# KiCad board woodpecker.kicad_pcb (continued)
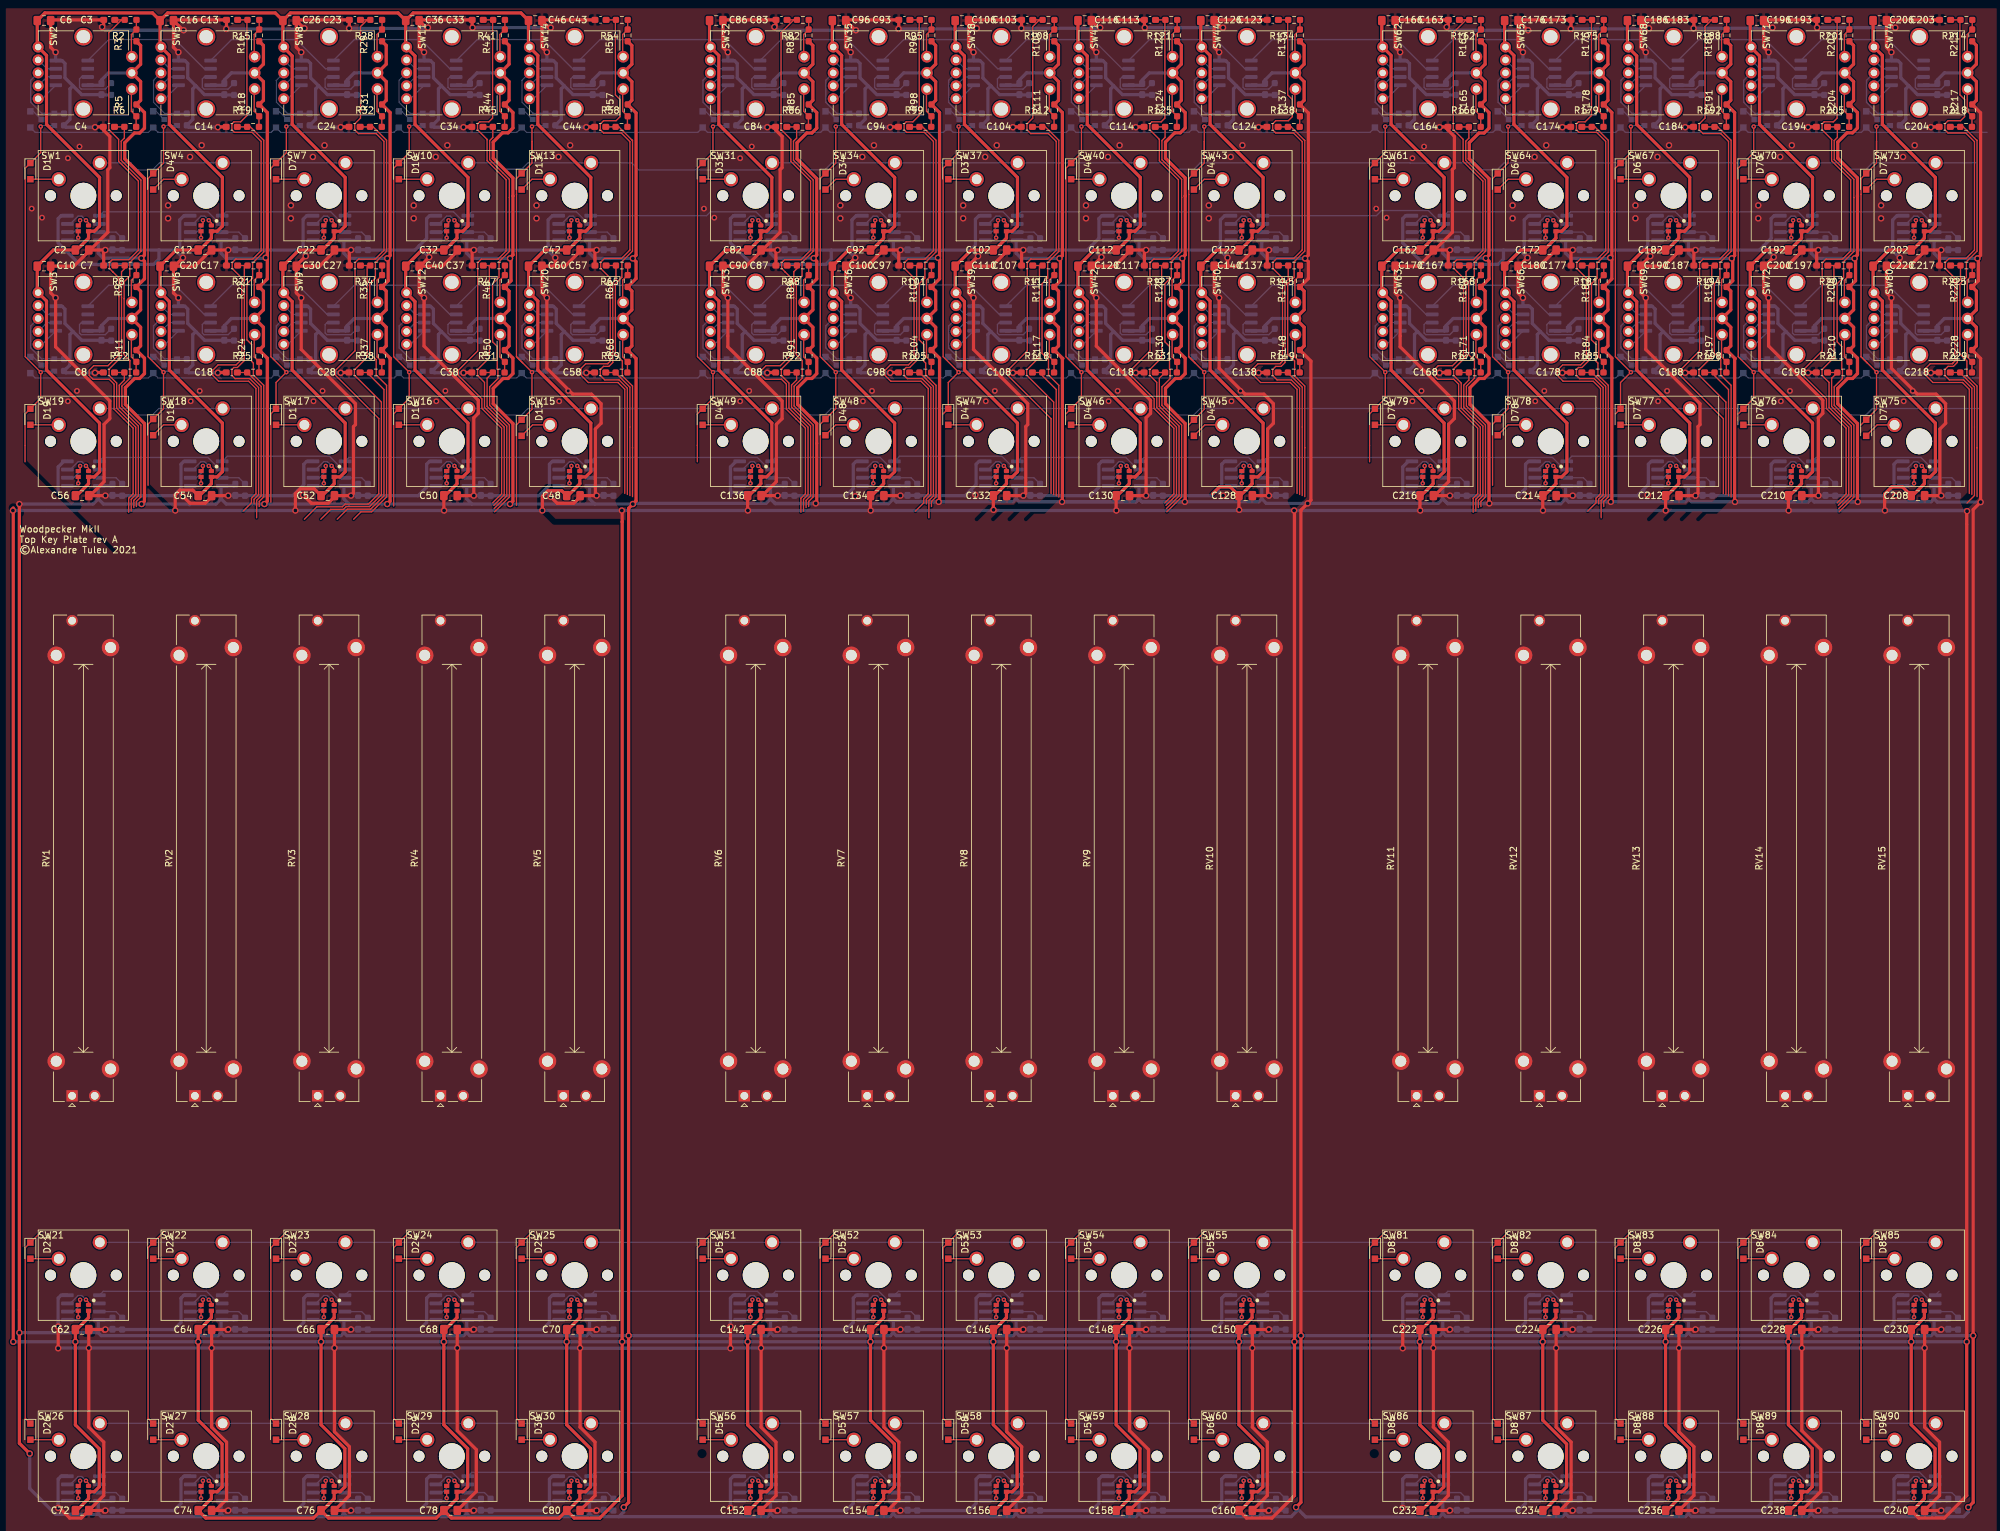
[diagram p0: board, top side]
## Routing (per net, layer and track width the routed paths; a pad name or vN(x,y) marks a point on that pad's centre or on a via; arc(x,y) is an arc through that point) (continued)
GND: length 3891.4
  Top w0.5: C26.2 42.34,229.3 v1(42.4,229.3) ; C26.2 41.24,230.6 C23.2 49.34,229.34 v1(49.3,229.3) ; C26.2 41.14,226.36 v1(41.9,225.6) ; v1(48,176) 48.05,176.05 C28.2 ; 47.24,195 v1(49.6,195) 49.34,194.74 C27.2 ; 47.24,195 47,195.24 ; 47.24,195 44.74,192.5 C30.2 ; 85.24,157 84.06,155.82 81.48,155.82 v1(80.5,156.8) ; 85.24,157 v1(87.6,157) 87.4,157.2 87.4,167.3 88.29,168.19 88.29,171.22 86.81,172.7 83.9,172.7 79.9,176.7 v1(79.9,187.6) 79.14,188.36 C60.2 81,192.5 ; 85.24,157 85,157.24 ; C36.2 60.14,226.36 v1(60.9,225.6) ; C36.2 60.24,230.6 C33.2 68.34,229.46 v1(68.4,229.4) ; C36.2 61.24,229.4 v1(61.5,229.4) ; v1(86,176) 86.05,176.05 C58.2 ; 28,157.24 28.24,157 ; 28.24,157 v1(30.6,157) ; 28.24,157 27.06,155.82 24.68,155.82 v1(23.6,156.9) ; C18.2 29.05,176.05 v1(29,176) ; 47.24,157 46.06,155.82 43.48,155.82 v1(42.2,157.1) ; 47.24,157 47,157.24 ; 47.24,157 v1(49.6,157) 49.98,157.38 49.98,167.68 50.29,167.99 50.29,171.22 41.9,179.61 v1(41.9,187.6) 41.14,188.36 C30.2 ; v1(11.6,157) 9.24,157 ; 9.24,157 9,157.24 ; 9.24,157 9.2,156.96 ; 9.24,157 11.4,159.16 11.4,168.03 12.29,168.92 12.29,171.63 3.9,180.02 v1(3.9,187.6) 3.14,188.36 C10.2 6.74,192.5 9.24,195 ; 85.24,195 82.74,192.5 81,192.5 ; 85.24,195 v1(87.6,195) 87.34,194.74 C57.2 ; 85.24,195 85,195.24 ; C40.2 60.14,188.36 v1(60.9,187.6) 60.9,180.14 69.29,171.75 69.29,169.74 68.6,169.05 v1(68.6,157) 66.24,157 66,157.24 ; C40.2 63.74,192.5 66.24,195 ; C40.2 60.3,192.5 v1(61.7,193.9) ; C20.2 25.46,192.5 27.96,195 28.24,195 ; C20.2 22.3,192.5 v1(23.6,193.8) ; C20.2 22.14,188.36 v1(22.9,187.6) ; 66,195.24 66.24,195 ; 66.24,195 v1(68.6,195) 68.34,194.74 C37.2 ; C24.2 48.05,214.05 v1(48,214) ; C30.2 41.14,192.59 v1(42.6,194.05) ; v1(10,214) 10.05,214.05 C4.2 11.29,213.57 12.29,212.57 12.29,207.74 11.98,207.43 11.98,197.74 9.24,195 ; v1(3.9,225.6) 3.14,226.36 C6.2 3.24,230.6 C3.2 11.34,229.74 v1(11.1,229.5) ; v1(67,176) 67.05,176.05 C38.2 ; v1(80.5,229.4) 80.24,229.4 C46.2 ; C14.2 29.05,214.05 v1(29,214) ; C34.2 67.05,214.05 v1(67,214) ; v1(30.3,229.2) 30.34,229.24 C13.2 22.24,230.6 C16.2 ; C16.2 23.64,229 v1(23.7,229) ; C16.2 22.14,226.36 v1(22.9,225.6) ; C17.2 30.34,194.74 v1(30.6,195) 28.24,195 ; 28,195.24 28.24,195 ; 9,195.24 9.24,195 ; 9.24,195 v1(11.6,195) 11.34,194.74 C7.2 ; 81,192.5 81.2,192.7 v1(81.2,193.8) ; v1(86,214) 86.05,214.05 C44.2 ; C46.2 79.24,230.6 C43.2 ; C46.2 79.14,226.36 v1(79.9,225.6) ; C8.2 10.05,176.05 v1(10,176) ; 11.34,27.74 v1(11.6,28) 9.24,28 9,28.24 ; 87.34,-0.26 v1(87.6,0) 85.24,0 85,0.24 ; 30.34,27.74 v1(30.6,28) 28.24,28 28,28.24 ; 49.34,27.74 v1(49.6,28) 47.24,28 47,28.24 ; 68.34,27.74 v1(68.6,28) 66.24,28 66,28.24 ; 87.34,27.74 v1(87.6,28) 85.24,28 85,28.24 ; 11.34,-0.26 v1(11.6,0) 9.24,0 9,0.24 ; 30.34,-0.26 v1(30.6,0) 28.24,0 28,0.24 ; 49.34,-0.26 v1(49.6,0) 47.24,0 47,0.24 ; 68.34,-0.26 v1(68.6,0) 66.24,0 66,0.24 ; 115.34,27.74 v1(115.6,28) 113.24,28 113,28.24 ; 191.34,-0.26 v1(191.6,0) 189.24,0 189,0.24 ; 134.34,27.74 v1(134.6,28) 132.24,28 132,28.24 ; 153.34,27.74 v1(153.6,28) 151.24,28 151,28.24 ; 172.34,27.74 v1(172.6,28) 170.24,28 170,28.24 ; 191.34,27.74 v1(191.6,28) 189.24,28 189,28.24 ; 115.34,-0.26 v1(115.6,0) 113.24,0 113,0.24 ; 134.34,-0.26 v1(134.6,0) 132.24,0 132,0.24 ; 153.34,-0.26 v1(153.6,0) 151.24,0 151,0.24 ; 172.34,-0.26 v1(172.6,0) 170.24,0 170,0.24 ; C148.2 170.04,12.36 172.98,9.42 172.98,2.94 C158.2 ; C160.2 191.35,2.31 191.35,10.58 189.04,12.89 v1(189.04,25.14) C150.2 ; C146.2 151.04,12.18 153.35,9.87 153.35,2.31 C156.2 ; C154.2 132.62,0 134.35,1.73 134.35,10.58 132.04,12.89 C144.2 ; C152.2 115.35,2.31 115.35,10.58 113.04,12.89 C142.2 ; v1(108.3,25.1) v1(108.3,28.45) ; 108.5,0.4 v1(108.3,0.4) ; 219.34,27.74 v1(219.6,28) 217.24,28 217,28.24 ; 295.34,-0.26 v1(295.6,0) 293.24,0 293,0.24 ; 238.34,27.74 v1(238.6,28) 236.24,28 236,28.24 ; 257.34,27.74 v1(257.6,28) 255.24,28 255,28.24 ; 276.34,27.74 v1(276.6,28) 274.24,28 274,28.24 ; 295.34,27.74 v1(295.6,28) 293.24,28 293,28.24 ; 219.34,-0.26 v1(219.6,0) 217.24,0 217,0.24 ; 238.34,-0.26 v1(238.6,0) 236.24,0 236,0.24 ; 257.34,-0.26 v1(257.6,0) 255.24,0 255,0.24 ; 276.34,-0.26 v1(276.6,0) 274.24,0 274,0.24 ; C228.2 274.04,12.36 276.98,9.42 276.98,2.94 C238.2 ; C240.2 295.35,2.31 295.35,10.58 293.04,12.89 v1(293.04,25.14) C230.2 ; C226.2 255.04,12.18 257.35,9.87 257.35,2.31 C236.2 ; C234.2 236.62,0 238.35,1.73 238.35,10.58 236.04,12.89 C224.2 ; C232.2 219.35,2.31 219.35,10.58 217.04,12.89 C222.2 ; v1(212.3,25.1) v1(212.3,28.45) ; 212.5,0.4 v1(212.3,0.4) ; v1(114,176) 114.05,176.05 C88.2 ; v1(114,214) 114.05,214.05 C84.2 115.29,213.57 116.29,212.57 116.29,207.74 115.98,207.43 115.98,197.74 113.24,195 ; v1(107.9,225.6) 107.14,226.36 C86.2 107.24,230.6 C83.2 115.34,229.74 v1(115.1,229.5) ; v1(133,214) 133.05,214.05 C94.2 ; v1(126.9,225.6) 126.14,226.36 C96.2 ; C96.2 126.24,230.6 C93.2 134.34,229.24 v1(134.3,229.2) ; C96.2 127.64,229 v1(127.7,229) ; v1(133,176) 133.05,176.05 C98.2 ; v1(126.9,187.6) 126.14,188.36 C100.2 ; C100.2 129.46,192.5 131.96,195 132.24,195 ; C100.2 126.3,192.5 v1(127.6,193.8) ; v1(152,214) 152.05,214.05 C104.2 ; v1(145.9,225.6) 145.14,226.36 C106.2 ; C106.2 145.24,230.6 C103.2 153.34,229.34 v1(153.3,229.3) ; C106.2 146.34,229.3 v1(146.4,229.3) ; v1(152,176) 152.05,176.05 C108.2 ; C110.2 145.14,188.36 v1(145.9,187.6) 145.9,179.61 154.29,171.22 154.29,167.99 153.98,167.68 153.98,157.38 v1(153.6,157) 151.24,157 151,157.24 ; C110.2 148.74,192.5 151.24,195 ; C110.2 145.14,192.59 v1(146.6,194.05) ; v1(171,214) 171.05,214.05 C114.2 ; v1(164.9,225.6) 164.14,226.36 C116.2 ; C116.2 164.24,230.6 C113.2 172.34,229.46 v1(172.4,229.4) ; C116.2 165.24,229.4 v1(165.5,229.4) ; v1(171,176) 171.05,176.05 C118.2 ; C120.2 164.14,188.36 v1(164.9,187.6) 164.9,180.14 173.29,171.75 173.29,169.74 172.6,169.05 v1(172.6,157) 170.24,157 170,157.24 ; C120.2 167.74,192.5 170.24,195 ; C120.2 164.3,192.5 v1(165.7,193.9) ; v1(190,214) 190.05,214.05 C124.2 ; v1(183.9,225.6) 183.14,226.36 C126.2 ; C126.2 183.24,230.6 C123.2 ; C126.2 184.24,229.4 v1(184.5,229.4) ; v1(190,176) 190.05,176.05 C138.2 ; C87.2 115.34,194.74 v1(115.6,195) 113.24,195 ; 113,195.24 113.24,195 ; 113.24,195 110.74,192.5 C90.2 107.14,188.36 v1(107.9,187.6) 107.9,180.02 116.29,171.63 116.29,168.92 115.4,168.03 115.4,159.16 113.24,157 ; 113,157.24 113.24,157 ; 113.24,157 v1(115.6,157) ; 113.24,157 113.2,156.96 ; C97.2 134.34,194.74 v1(134.6,195) 132.24,195 ; 132,195.24 132.24,195 ; 132,157.24 132.24,157 v1(134.6,157) ; C107.2 153.34,194.74 v1(153.6,195) 151.24,195 ; 151,195.24 151.24,195 ; C117.2 172.34,194.74 v1(172.6,195) 170.24,195 ; 170,195.24 170.24,195 ; C137.2 191.34,194.74 v1(191.6,195) 189.24,195 ; 189,195.24 189.24,195 ; 189.24,195 186.74,192.5 185,192.5 ; 189,157.24 189.24,157 v1(191.6,157) 191.4,157.2 191.4,167.3 192.29,168.19 192.29,171.22 190.81,172.7 187.9,172.7 183.9,176.7 v1(183.9,187.6) 183.14,188.36 C140.2 185,192.5 ; 185,192.5 185.2,192.7 v1(185.2,193.8) ; v1(218,176) 218.05,176.05 C168.2 ; v1(218,214) 218.05,214.05 C164.2 219.29,213.57 220.29,212.57 220.29,207.74 219.98,207.43 219.98,197.74 217.24,195 ; v1(211.9,225.6) 211.14,226.36 C166.2 211.24,230.6 C163.2 219.34,229.74 v1(219.1,229.5) ; v1(237,214) 237.05,214.05 C174.2 ; v1(230.9,225.6) 230.14,226.36 C176.2 ; C176.2 230.24,230.6 C173.2 238.34,229.24 v1(238.3,229.2) ; C176.2 231.64,229 v1(231.7,229) ; v1(237,176) 237.05,176.05 C178.2 ; v1(230.9,187.6) 230.14,188.36 C180.2 ; C180.2 233.46,192.5 235.96,195 236.24,195 ; C180.2 230.3,192.5 v1(231.6,193.8) ; v1(256,214) 256.05,214.05 C184.2 ; v1(249.9,225.6) 249.14,226.36 C186.2 ; C186.2 249.24,230.6 C183.2 257.34,229.34 v1(257.3,229.3) ; C186.2 250.34,229.3 v1(250.4,229.3) ; v1(256,176) 256.05,176.05 C188.2 ; C190.2 249.14,188.36 v1(249.9,187.6) 249.9,179.61 258.29,171.22 258.29,167.99 257.98,167.68 257.98,157.38 v1(257.6,157) 255.24,157 255,157.24 ; C190.2 252.74,192.5 255.24,195 ; C190.2 249.14,192.59 v1(250.6,194.05) ; v1(275,214) 275.05,214.05 C194.2 ; v1(268.9,225.6) 268.14,226.36 C196.2 ; C196.2 268.24,230.6 C193.2 276.34,229.46 v1(276.4,229.4) ; C196.2 269.24,229.4 v1(269.5,229.4) ; v1(275,176) 275.05,176.05 C198.2 ; C200.2 268.14,188.36 v1(268.9,187.6) 268.9,180.14 277.29,171.75 277.29,169.74 276.6,169.05 v1(276.6,157) 274.24,157 274,157.24 ; C200.2 271.74,192.5 274.24,195 ; C200.2 268.3,192.5 v1(269.7,193.9) ; v1(294,214) 294.05,214.05 C204.2 ; v1(287.9,225.6) 287.14,226.36 C206.2 ; C206.2 287.24,230.6 C203.2 ; C206.2 288.24,229.4 v1(288.5,229.4) ; v1(294,176) 294.05,176.05 C218.2 ; C167.2 219.34,194.74 v1(219.6,195) 217.24,195 ; 217,195.24 217.24,195 ; 217.24,195 214.74,192.5 C170.2 211.14,188.36 v1(211.9,187.6) 211.9,180.02 220.29,171.63 220.29,168.92 219.4,168.03 219.4,159.16 217.24,157 ; 217,157.24 217.24,157 ; 217.24,157 v1(219.6,157) ; 217.24,157 217.2,156.96 ; C177.2 238.34,194.74 v1(238.6,195) 236.24,195 ; 236,195.24 236.24,195 ; 236,157.24 236.24,157 v1(238.6,157) ; C187.2 257.34,194.74 v1(257.6,195) 255.24,195 ; 255,195.24 255.24,195 ; C197.2 276.34,194.74 v1(276.6,195) 274.24,195 ; 274,195.24 274.24,195 ; C217.2 295.34,194.74 v1(295.6,195) 293.24,195 ; 293,195.24 293.24,195 ; 293.24,195 290.74,192.5 289,192.5 ; 293,157.24 293.24,157 v1(295.6,157) 295.4,157.2 295.4,167.3 296.29,168.19 296.29,171.22 294.81,172.7 291.9,172.7 287.9,176.7 v1(287.9,187.6) 287.14,188.36 C220.2 289,192.5 ; 289,192.5 289.2,192.7 v1(289.2,193.8) ; C74.2 28.62,0 30.35,1.73 30.35,10.58 28.04,12.89 C64.2 ; C76.2 49.35,2.31 49.35,9.87 47.04,12.18 C66.2 ; C62.2 9.04,12.89 11.35,10.58 11.35,2.31 C72.2 7.86,-1.18 6.08,-1.18 4.5,0.4 v1(4.3,0.4) ; C68.2 66.04,12.36 68.98,9.42 68.98,2.94 C78.2 ; C70.2 v1(85.04,25.14) 85.04,12.89 87.35,10.58 87.35,2.31 C80.2 ; v1(4.3,25.1) v1(4.3,28.45)
  Bottom w0.5: 79.4,157.7 79.6,157.7 v1(80.5,156.8) ; 79.4,157.7 80.3,158.6 80.3,161.86 80.75,162.31 U15.4 ; 79.4,157.7 78.69,156.99 R61.2 71.15,157.04 C49.2 68.64,157.04 v1(68.6,157) ; v1(30.3,229.2) 42.3,229.2 v1(42.4,229.3) ; U7.4 42.75,200.31 42.2,199.75 42.2,195.7 41.49,194.99 ; v1(29,214) 24.49,214 R20.2 25.13,215.21 25.13,219.93 25.59,220.39 ; 79.7,195.3 80.1,195.7 80.1,199.66 80.75,200.31 U13.4 ; 79.7,195.3 v1(81.2,193.8) ; 79.7,195.3 79.39,194.99 R40.2 71.15,195.04 C31.2 68.64,195.04 v1(68.6,195) ; 82.59,220.39 82.13,219.93 82.13,215.21 R59.2 81.49,214 v1(86,214) ; 82.59,220.39 81.35,221.63 81.35,223.85 80.9,224.31 79.92,224.31 79.9,224.33 v1(79.9,225.6) ; 82.59,220.39 83.94,219.04 C45.2 87.05,218.99 R56.2 ; v1(42.6,194.05) 41.66,194.99 41.49,194.99 ; 22.85,157.65 23.3,158.1 23.3,161.85 23.75,162.31 U18.4 ; 22.85,157.65 22.19,156.99 R64.2 14.15,157.04 C55.2 11.64,157.04 v1(11.6,157) ; 22.85,157.65 v1(23.6,156.9) ; 4.3,157.5 4.3,161.43 5.17,162.31 U19.4 ; 41.49,194.99 R14.2 33.15,195.04 C11.2 30.64,195.04 v1(30.6,195) ; v1(61.7,193.9) 60.15,195.45 60.15,195.65 ; 6.59,182.39 7.94,181.04 C9.2 11.05,180.99 R10.2 ; 6.59,182.39 5.35,183.63 5.35,185.85 4.9,186.31 U3.4 3.9,186.33 v1(3.9,187.6) ; 6.59,182.39 6.13,181.93 6.13,177.21 R13.2 5.49,176 v1(10,176) ; 63.59,182.39 64.94,181.04 C39.2 68.05,180.99 R49.2 ; 63.59,182.39 62.35,183.63 62.35,185.85 61.9,186.31 60.92,186.31 60.9,186.33 v1(60.9,187.6) ; 63.59,182.39 63.13,181.93 63.13,177.21 R52.2 62.49,176 v1(67,176) ; R67.2 87.05,180.99 C59.2 83.94,181.04 82.59,182.39 ; R60.2 90.15,157.04 C47.2 87.64,157.04 v1(87.6,157) ; 6.59,220.39 5.35,221.63 5.35,223.85 4.9,224.31 U2.4 3.9,224.33 v1(3.9,225.6) ; 6.59,220.39 6.13,219.93 6.13,215.21 R7.2 5.49,214 v1(10,214) ; 6.59,220.39 7.94,219.04 C5.2 11.05,218.99 R4.2 ; R43.2 68.05,218.99 C35.2 64.94,219.04 63.59,220.39 ; 60.15,195.65 59.49,194.99 R27.2 52.15,195.04 C21.2 49.64,195.04 v1(49.6,195) ; 60.15,195.65 61.3,196.8 61.3,199.86 61.75,200.31 U10.4 ; 63.59,220.39 63.13,219.93 63.13,215.21 R46.2 62.49,214 v1(67,214) ; 63.59,220.39 62.35,221.63 62.35,223.85 61.9,224.31 60.92,224.31 60.9,224.33 v1(60.9,225.6) ; 44.59,182.39 45.94,181.04 C29.2 49.05,180.99 R36.2 ; 44.59,182.39 43.35,183.63 43.35,185.85 42.9,186.31 41.92,186.31 41.9,186.33 v1(41.9,187.6) ; 44.59,182.39 44.13,181.93 44.13,177.21 R39.2 43.49,176 v1(48,176) ; v1(48,214) 43.49,214 R33.2 44.13,215.21 44.13,219.93 44.59,220.39 ; v1(42.2,157.1) 41.5,157.8 41.4,157.8 ; v1(49.6,157) 49.64,157.04 C51.2 52.15,157.04 R62.2 59.99,156.99 61.3,158.3 61.3,161.86 61.75,162.31 U16.4 ; v1(86,176) 81.49,176 R70.2 82.13,177.21 82.13,181.93 82.59,182.39 ; v1(79.9,187.6) 79.9,186.33 79.92,186.31 80.9,186.31 81.35,185.85 81.35,183.63 82.59,182.39 ; v1(30.6,157) 30.64,157.04 C53.2 33.15,157.04 R63.2 40.59,156.99 41.4,157.8 ; 22.69,194.99 19.89,194.99 ; 22.69,194.99 22.69,194.71 v1(23.6,193.8) ; 22.69,194.99 23.1,195.4 23.1,199.66 23.75,200.31 U4.4 ; 19.89,194.99 R1.2 14.15,195.04 C1.2 11.64,195.04 v1(11.6,195) ; 19.89,194.99 19.89,193.59 19.08,192.78 7.61,192.78 4.3,196.1 4.3,199.85 4.75,200.31 U1.4 ; U17.4 42.75,162.31 42.3,161.86 42.3,158.7 41.4,157.8 ; 44.59,220.39 43.35,221.63 43.35,223.85 42.9,224.31 41.92,224.31 41.9,224.33 v1(41.9,225.6) ; 44.59,220.39 45.94,219.04 C25.2 49.05,218.99 R30.2 ; v1(23.7,229) 11.6,229 v1(11.1,229.5) ; R17.2 30.05,218.99 C15.2 26.94,219.04 25.59,220.39 ; 25.59,182.39 25.13,181.93 25.13,177.21 R26.2 24.49,176 v1(29,176) ; 25.59,182.39 26.94,181.04 C19.2 30.05,180.99 R23.2 ; 25.59,182.39 24.35,183.63 24.35,185.85 23.9,186.31 U6.4 22.9,186.33 v1(22.9,187.6) ; 25.59,220.39 24.35,221.63 24.35,223.85 23.9,224.31 U5.4 22.9,224.33 v1(22.9,225.6) ; R53.2 90.15,195.04 C41.2 87.64,195.04 v1(87.6,195) ; v1(49.3,229.3) 61.4,229.3 v1(61.5,229.4) ; v1(68.4,229.4) v1(80.5,229.4) ; v1(11.6,28) 11.64,28.04 C61.2 14.15,28.04 R71.2 22.19,27.99 23.3,29.1 23.3,32.85 23.75,33.31 U22.4 ; U21.4 4.75,33.31 4.3,32.85 v1(4.3,28.45) ; R80.2 90.15,0.04 C79.2 87.64,0.04 v1(87.6,0) ; U30.4 80.75,5.31 80.3,4.85 80.3,1.1 79.19,-0.01 R79.2 71.15,0.04 C77.2 68.64,0.04 v1(68.6,0) ; v1(30.6,28) 30.64,28.04 C63.2 33.15,28.04 R72.2 41.19,27.99 42.3,29.1 42.3,32.85 42.75,33.31 U23.4 ; v1(49.6,28) 49.64,28.04 C65.2 52.15,28.04 R73.2 60.19,27.99 61.3,29.1 61.3,32.85 61.75,33.31 U24.4 ; v1(68.6,28) 68.64,28.04 C67.2 71.15,28.04 R74.2 79.19,27.99 80.3,29.1 80.3,32.85 80.75,33.31 U25.4 ; R75.2 90.15,28.04 C69.2 87.64,28.04 v1(87.6,28) ; v1(11.6,0) 11.64,0.04 C71.2 14.15,0.04 R76.2 22.19,-0.01 23.3,1.1 23.3,4.85 23.75,5.31 U27.4 ; U26.4 4.75,5.31 4.3,4.85 v1(4.3,0.4) ; v1(30.6,0) 30.64,0.04 C73.2 33.15,0.04 R77.2 41.19,-0.01 42.3,1.1 42.3,4.85 42.75,5.31 U28.4 ; v1(49.6,0) 49.64,0.04 C75.2 52.15,0.04 R78.2 60.19,-0.01 61.3,1.1 61.3,4.85 61.75,5.31 U29.4 ; v1(115.6,28) 115.64,28.04 C141.2 118.15,28.04 R151.2 126.19,27.99 127.3,29.1 127.3,32.85 127.75,33.31 U52.4 ; U51.4 108.75,33.31 108.3,32.85 v1(108.3,28.45) ; R160.2 194.15,0.04 C159.2 191.64,0.04 v1(191.6,0) ; U60.4 184.75,5.31 184.3,4.85 184.3,1.1 183.19,-0.01 R159.2 175.15,0.04 C157.2 172.64,0.04 v1(172.6,0) ; v1(134.6,28) 134.64,28.04 C143.2 137.15,28.04 R152.2 145.19,27.99 146.3,29.1 146.3,32.85 146.75,33.31 U53.4 ; v1(153.6,28) 153.64,28.04 C145.2 156.15,28.04 R153.2 164.19,27.99 165.3,29.1 165.3,32.85 165.75,33.31 U54.4 ; v1(172.6,28) 172.64,28.04 C147.2 175.15,28.04 R154.2 183.19,27.99 184.3,29.1 184.3,32.85 184.75,33.31 U55.4 ; R155.2 194.15,28.04 C149.2 191.64,28.04 v1(191.6,28) ; v1(115.6,0) 115.64,0.04 C151.2 118.15,0.04 R156.2 126.19,-0.01 127.3,1.1 127.3,4.85 127.75,5.31 U57.4 ; U56.4 108.75,5.31 108.3,4.85 v1(108.3,0.4) ; v1(134.6,0) 134.64,0.04 C153.2 137.15,0.04 R157.2 145.19,-0.01 146.3,1.1 146.3,4.85 146.75,5.31 U58.4 ; v1(153.6,0) 153.64,0.04 C155.2 156.15,0.04 R158.2 164.19,-0.01 165.3,1.1 165.3,4.85 165.75,5.31 U59.4 ; v1(219.6,28) 219.64,28.04 C221.2 222.15,28.04 R231.2 230.19,27.99 231.3,29.1 231.3,32.85 231.75,33.31 U82.4 ; U81.4 212.75,33.31 212.3,32.85 v1(212.3,28.45) ; R240.2 298.15,0.04 C239.2 295.64,0.04 v1(295.6,0) ; U90.4 288.75,5.31 288.3,4.85 288.3,1.1 287.19,-0.01 R239.2 279.15,0.04 C237.2 276.64,0.04 v1(276.6,0) ; v1(238.6,28) 238.64,28.04 C223.2 241.15,28.04 R232.2 249.19,27.99 250.3,29.1 250.3,32.85 250.75,33.31 U83.4 ; v1(257.6,28) 257.64,28.04 C225.2 260.15,28.04 R233.2 268.19,27.99 269.3,29.1 269.3,32.85 269.75,33.31 U84.4 ; v1(276.6,28) 276.64,28.04 C227.2 279.15,28.04 R234.2 287.19,27.99 288.3,29.1 288.3,32.85 288.75,33.31 U85.4 ; R235.2 298.15,28.04 C229.2 295.64,28.04 v1(295.6,28) ; v1(219.6,0) 219.64,0.04 C231.2 222.15,0.04 R236.2 230.19,-0.01 231.3,1.1 231.3,4.85 231.75,5.31 U87.4 ; U86.4 212.75,5.31 212.3,4.85 v1(212.3,0.4) ; v1(238.6,0) 238.64,0.04 C233.2 241.15,0.04 R237.2 249.19,-0.01 250.3,1.1 250.3,4.85 250.75,5.31 U88.4 ; v1(257.6,0) 257.64,0.04 C235.2 260.15,0.04 R238.2 268.19,-0.01 269.3,1.1 269.3,4.85 269.75,5.31 U89.4 ; v1(293.04,25.14) v1(274.04,25.14) v1(255.04,25.14) v1(236.04,25.14) v1(217.04,25.14) 212.34,25.14 v1(212.3,25.1) 212.26,25.14 v1(189.04,25.14) v1(170.04,25.14) v1(151.04,25.14) v1(132.04,25.14) v1(113.04,25.14) 108.34,25.14 v1(108.3,25.1) 85.08,25.1 v1(85.04,25.14) v1(66.04,25.14) v1(47.04,25.14) v1(28.04,25.14) v1(9.04,25.14) 4.34,25.14 v1(4.3,25.1) ; R90.2 115.05,180.99 C89.2 111.94,181.04 110.59,182.39 ; 110.59,182.39 110.13,181.93 110.13,177.21 R93.2 109.49,176 v1(114,176) ; 110.59,182.39 109.35,183.63 109.35,185.85 108.9,186.31 U33.4 107.9,186.33 v1(107.9,187.6) ; R84.2 115.05,218.99 C85.2 111.94,219.04 110.59,220.39 ; 110.59,220.39 110.13,219.93 110.13,215.21 R87.2 109.49,214 v1(114,214) ; 110.59,220.39 109.35,221.63 109.35,223.85 108.9,224.31 U32.4 107.9,224.33 v1(107.9,225.6) ; R97.2 134.05,218.99 C95.2 130.94,219.04 129.59,220.39 ; 129.59,220.39 129.13,219.93 129.13,215.21 R100.2 128.49,214 v1(133,214) ; 129.59,220.39 128.35,221.63 128.35,223.85 127.9,224.31 U35.4 126.9,224.33 v1(126.9,225.6) ; R103.2 134.05,180.99 C99.2 130.94,181.04 129.59,182.39 ; 129.59,182.39 129.13,181.93 129.13,177.21 R106.2 128.49,176 v1(133,176) ; 129.59,182.39 128.35,183.63 128.35,185.85 127.9,186.31 U36.4 126.9,186.33 v1(126.9,187.6) ; R110.2 153.05,218.99 C105.2 149.94,219.04 148.59,220.39 ; 148.59,220.39 148.13,219.93 148.13,215.21 R113.2 147.49,214 v1(152,214) ; 148.59,220.39 147.35,221.63 147.35,223.85 146.9,224.31 U38.4 145.9,224.33 v1(145.9,225.6) ; R116.2 153.05,180.99 C109.2 149.94,181.04 148.59,182.39 ; 148.59,182.39 148.13,181.93 148.13,177.21 R119.2 147.49,176 v1(152,176) ; 148.59,182.39 147.35,183.63 147.35,185.85 146.9,186.31 U39.4 145.9,186.33 v1(145.9,187.6) ; R123.2 172.05,218.99 C115.2 168.94,219.04 167.59,220.39 ; 167.59,220.39 167.13,219.93 167.13,215.21 R126.2 166.49,214 v1(171,214) ; 167.59,220.39 166.35,221.63 166.35,223.85 165.9,224.31 U41.4 164.9,224.33 v1(164.9,225.6) ; R129.2 172.05,180.99 C119.2 168.94,181.04 167.59,182.39 ; 167.59,182.39 167.13,181.93 167.13,177.21 R132.2 166.49,176 v1(171,176) ; 167.59,182.39 166.35,183.63 166.35,185.85 165.9,186.31 U42.4 164.9,186.33 v1(164.9,187.6) ; R136.2 191.05,218.99 C125.2 187.94,219.04 186.59,220.39 ; 186.59,220.39 186.13,219.93 186.13,215.21 R139.2 185.49,214 v1(190,214) ; 186.59,220.39 185.35,221.63 185.35,223.85 184.9,224.31 U44.4 183.9,224.33 v1(183.9,225.6) ; R147.2 191.05,180.99 C139.2 187.94,181.04 186.59,182.39 ; 186.59,182.39 186.13,181.93 186.13,177.21 R150.2 185.49,176 v1(190,176) ; 186.59,182.39 185.35,183.63 185.35,185.85 184.9,186.31 U50.4 183.9,186.33 v1(183.9,187.6) ; v1(115.6,195) 115.64,195.04 C81.2 118.15,195.04 R81.2 123.89,194.99 ; v1(115.6,157) 115.64,157.04 C135.2 118.15,157.04 R144.2 126.19,156.99 126.85,157.65 ; v1(134.6,195) 134.64,195.04 C91.2 137.15,195.04 R94.2 145.49,194.99 ; v1(134.6,157) 134.64,157.04 C133.2 137.15,157.04 R143.2 144.59,156.99 145.4,157.8 ; v1(153.6,195) 153.64,195.04 C101.2 156.15,195.04 R107.2 163.49,194.99 164.15,195.65 ; v1(153.6,157) 153.64,157.04 C131.2 156.15,157.04 R142.2 163.99,156.99 165.3,158.3 165.3,161.86 165.75,162.31 U46.4 ; v1(172.6,195) 172.64,195.04 C111.2 175.15,195.04 R120.2 183.39,194.99 183.7,195.3 ; v1(172.6,157) 172.64,157.04 C129.2 175.15,157.04 R141.2 182.69,156.99 183.4,157.7 ; R133.2 194.15,195.04 C121.2 191.64,195.04 v1(191.6,195) ; R140.2 194.15,157.04 C127.2 191.64,157.04 v1(191.6,157) ; U47.4 146.75,162.31 146.3,161.86 146.3,158.7 145.4,157.8 ; U48.4 127.75,162.31 127.3,161.85 127.3,158.1 126.85,157.65 ; U45.4 184.75,162.31 184.3,161.86 184.3,158.6 183.4,157.7 ; U40.4 165.75,200.31 165.3,199.86 165.3,196.8 164.15,195.65 ; U37.4 146.75,200.31 146.2,199.75 146.2,195.7 145.49,194.99 ; 145.49,194.99 145.66,194.99 v1(146.6,194.05) ; U34.4 127.75,200.31 127.1,199.66 127.1,195.4 126.69,194.99 ; 126.69,194.99 126.69,194.71 v1(127.6,193.8) ; 126.69,194.99 123.89,194.99 ; 164.15,195.65 164.15,195.45 v1(165.7,193.9) ; U43.4 184.75,200.31 184.1,199.66 184.1,195.7 183.7,195.3 ; 183.7,195.3 v1(185.2,193.8) ; U31.4 108.75,200.31 108.3,199.85 108.3,196.1 111.61,192.78 123.08,192.78 123.89,193.59 123.89,194.99 ; 183.4,157.7 183.8,157.7 v1(184.5,157) ; 145.4,157.8 145.5,157.8 v1(146.2,157.1) ; v1(127.6,156.9) 126.85,157.65 ; v1(127.7,229) 115.6,229 v1(115.1,229.5) ; v1(146.4,229.3) 146.3,229.2 v1(134.3,229.2) ; v1(165.5,229.4) 165.4,229.3 v1(153.3,229.3) ; v1(172.4,229.4) v1(184.5,229.4) ; U49.4 109.17,162.31 108.3,161.43 108.3,157.5 ; 108.3,157.5 111.1,157.5 ; 108.3,157.5 108.3,156.9 ; R170.2 219.05,180.99 C169.2 215.94,181.04 214.59,182.39 ; 214.59,182.39 214.13,181.93 214.13,177.21 R173.2 213.49,176 v1(218,176) ; 214.59,182.39 213.35,183.63 213.35,185.85 212.9,186.31 U63.4 211.9,186.33 v1(211.9,187.6) ; R164.2 219.05,218.99 C165.2 215.94,219.04 214.59,220.39 ; 214.59,220.39 214.13,219.93 214.13,215.21 R167.2 213.49,214 v1(218,214) ; 214.59,220.39 213.35,221.63 213.35,223.85 212.9,224.31 U62.4 211.9,224.33 v1(211.9,225.6) ; R177.2 238.05,218.99 C175.2 234.94,219.04 233.59,220.39 ; 233.59,220.39 233.13,219.93 233.13,215.21 R180.2 232.49,214 v1(237,214) ; 233.59,220.39 232.35,221.63 232.35,223.85 231.9,224.31 230.93,224.31 230.9,224.33 v1(230.9,225.6) ; R183.2 238.05,180.99 C179.2 234.94,181.04 233.59,182.39 ; 233.59,182.39 233.13,181.93 233.13,177.21 R186.2 232.49,176 v1(237,176) ; 233.59,182.39 232.35,183.63 232.35,185.85 231.9,186.31 230.93,186.31 230.9,186.33 v1(230.9,187.6) ; R190.2 257.05,218.99 C185.2 253.94,219.04 252.59,220.39 ; 252.59,220.39 252.13,219.93 252.13,215.21 R193.2 251.49,214 v1(256,214) ; 252.59,220.39 251.35,221.63 251.35,223.85 250.9,224.31 U68.4 249.9,224.33 v1(249.9,225.6) ; R196.2 257.05,180.99 C189.2 253.94,181.04 252.59,182.39 ; 252.59,182.39 252.13,181.93 252.13,177.21 R199.2 251.49,176 v1(256,176) ; 252.59,182.39 251.35,183.63 251.35,185.85 250.9,186.31 U69.4 249.9,186.33 v1(249.9,187.6) ; R203.2 276.05,218.99 C195.2 272.94,219.04 271.59,220.39 ; 271.59,220.39 271.13,219.93 271.13,215.21 R206.2 270.49,214 v1(275,214) ; 271.59,220.39 270.35,221.63 270.35,223.85 269.9,224.31 U71.4 268.9,224.33 v1(268.9,225.6) ; R209.2 276.05,180.99 C199.2 272.94,181.04 271.59,182.39 ; 271.59,182.39 271.13,181.93 271.13,177.21 R212.2 270.49,176 v1(275,176) ; 271.59,182.39 270.35,183.63 270.35,185.85 269.9,186.31 U72.4 268.9,186.33 v1(268.9,187.6) ; R216.2 295.05,218.99 C205.2 291.94,219.04 290.59,220.39 ; 290.59,220.39 290.13,219.93 290.13,215.21 R219.2 289.49,214 v1(294,214) ; 290.59,220.39 289.35,221.63 289.35,223.85 288.9,224.31 U74.4 287.9,224.33 v1(287.9,225.6) ; R227.2 295.05,180.99 C219.2 291.94,181.04 290.59,182.39 ; 290.59,182.39 290.13,181.93 290.13,177.21 R230.2 289.49,176 v1(294,176) ; 290.59,182.39 289.35,183.63 289.35,185.85 288.9,186.31 U80.4 287.9,186.33 v1(287.9,187.6) ; v1(219.6,195) 219.64,195.04 C161.2 222.15,195.04 R161.2 227.89,194.99 ; v1(219.6,157) 219.64,157.04 C215.2 222.15,157.04 R224.2 230.19,156.99 230.85,157.65 ; v1(238.6,195) 238.64,195.04 C171.2 241.15,195.04 R174.2 249.49,194.99 ; v1(238.6,157) 238.64,157.04 C213.2 241.15,157.04 R223.2 248.59,156.99 249.4,157.8 ; v1(257.6,195) 257.64,195.04 C181.2 260.15,195.04 R187.2 267.49,194.99 268.15,195.65 ; v1(257.6,157) 257.64,157.04 C211.2 260.15,157.04 R222.2 267.99,156.99 269.3,158.3 269.3,161.86 269.75,162.31 U76.4 ; v1(276.6,195) 276.64,195.04 C191.2 279.15,195.04 R200.2 287.39,194.99 287.7,195.3 ; v1(276.6,157) 276.64,157.04 C209.2 279.15,157.04 R221.2 286.69,156.99 287.4,157.7 ; R213.2 298.15,195.04 C201.2 295.64,195.04 v1(295.6,195) ; R220.2 298.15,157.04 C207.2 295.64,157.04 v1(295.6,157) ; U77.4 250.75,162.31 250.3,161.86 250.3,158.7 249.4,157.8 ; U78.4 231.75,162.31 231.3,161.85 231.3,158.1 230.85,157.65 ; U75.4 288.75,162.31 288.3,161.86 288.3,158.6 287.4,157.7 ; U70.4 269.75,200.31 269.3,199.86 269.3,196.8 268.15,195.65 ; U67.4 250.75,200.31 250.2,199.75 250.2,195.7 249.49,194.99 ; 249.49,194.99 249.66,194.99 v1(250.6,194.05) ; U64.4 231.75,200.31 231.1,199.66 231.1,195.4 230.69,194.99 ; 230.69,194.99 230.69,194.71 v1(231.6,193.8) ; 230.69,194.99 227.89,194.99 ; 268.15,195.65 268.15,195.45 v1(269.7,193.9) ; U73.4 288.75,200.31 288.1,199.66 288.1,195.7 287.7,195.3 ; 287.7,195.3 v1(289.2,193.8) ; U61.4 212.75,200.31 212.3,199.85 212.3,196.1 215.61,192.78 227.08,192.78 227.89,193.59 227.89,194.99 ; 287.4,157.7 287.8,157.7 v1(288.5,157) ; 249.4,157.8 249.5,157.8 v1(250.2,157.1) ; v1(231.6,156.9) 230.85,157.65 ; v1(231.7,229) 219.6,229 v1(219.1,229.5) ; v1(250.4,229.3) 250.3,229.2 v1(238.3,229.2) ; v1(269.5,229.4) 269.4,229.3 v1(257.3,229.3) ; v1(276.4,229.4) v1(288.5,229.4) ; U79.4 213.17,162.31 212.3,161.43 212.3,157.5 ; 212.3,157.5 215.1,157.5 ; 212.3,157.5 212.3,156.9